# Altium PCB PROC106B.PcbDoc (part 1 of 8) (continued)
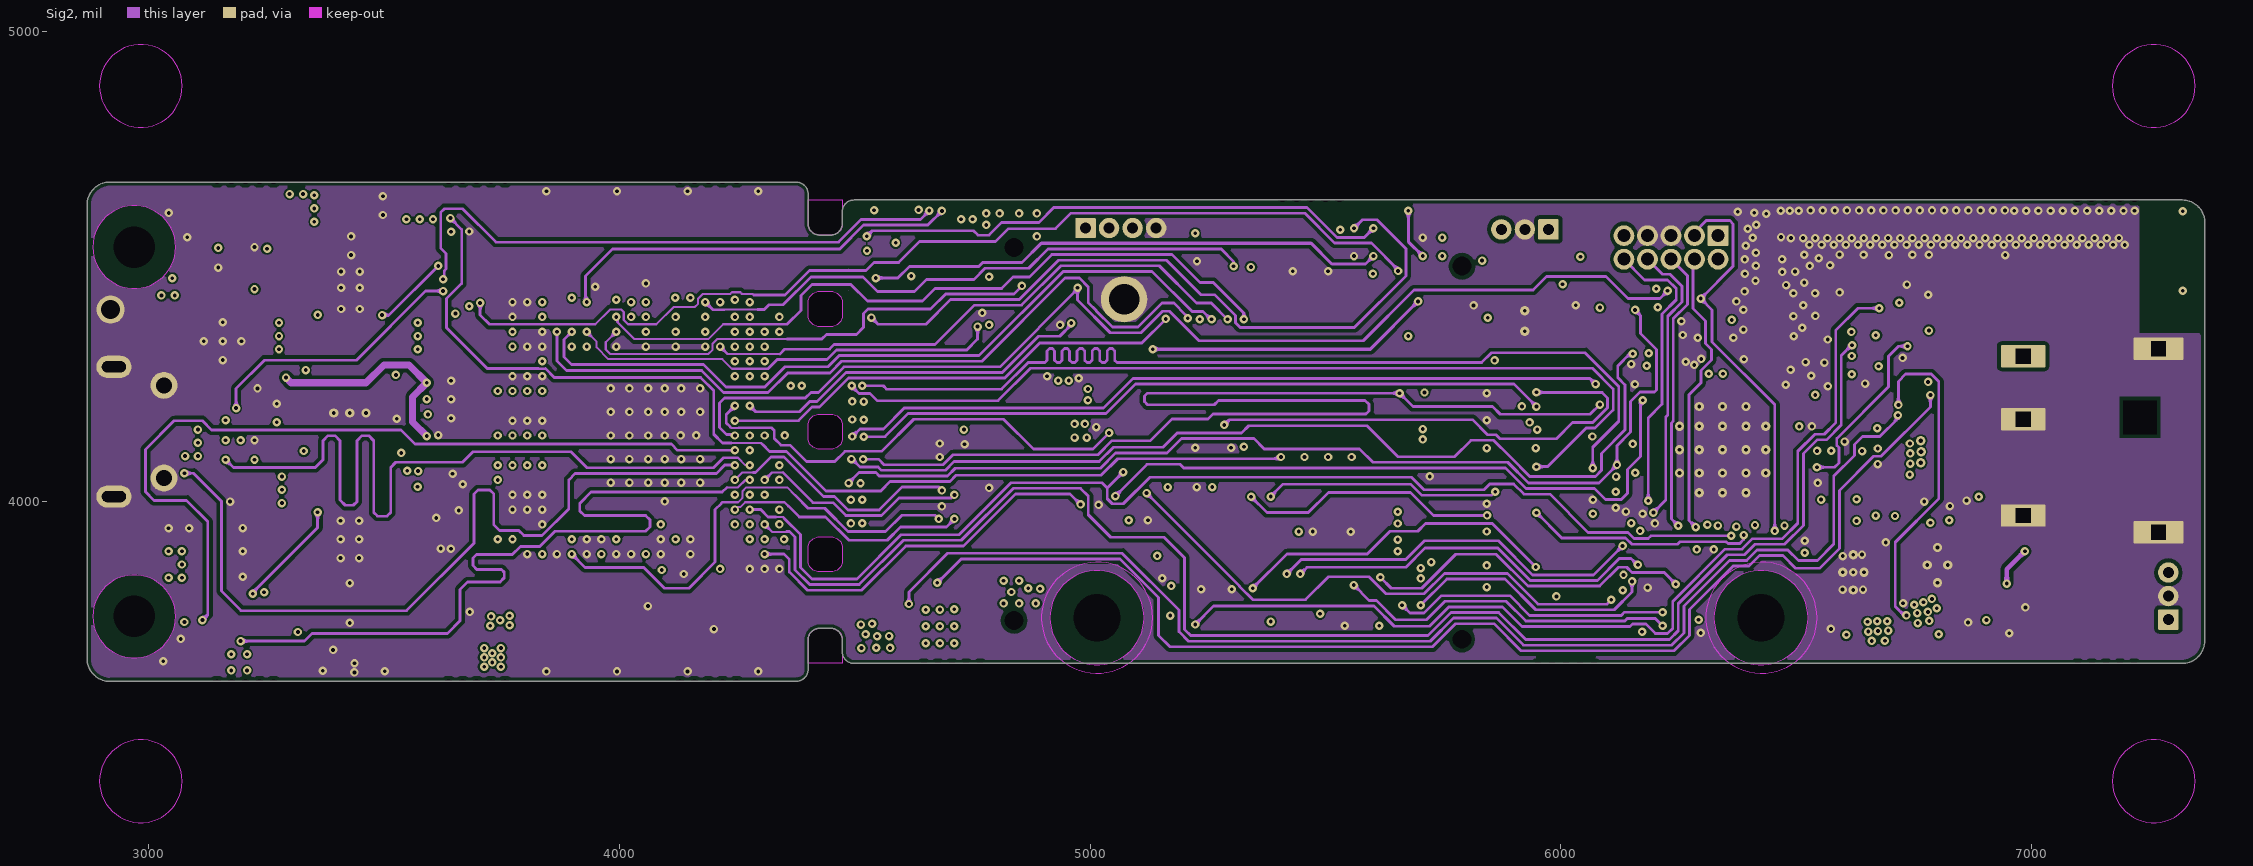
[diagram p6: Sig2]
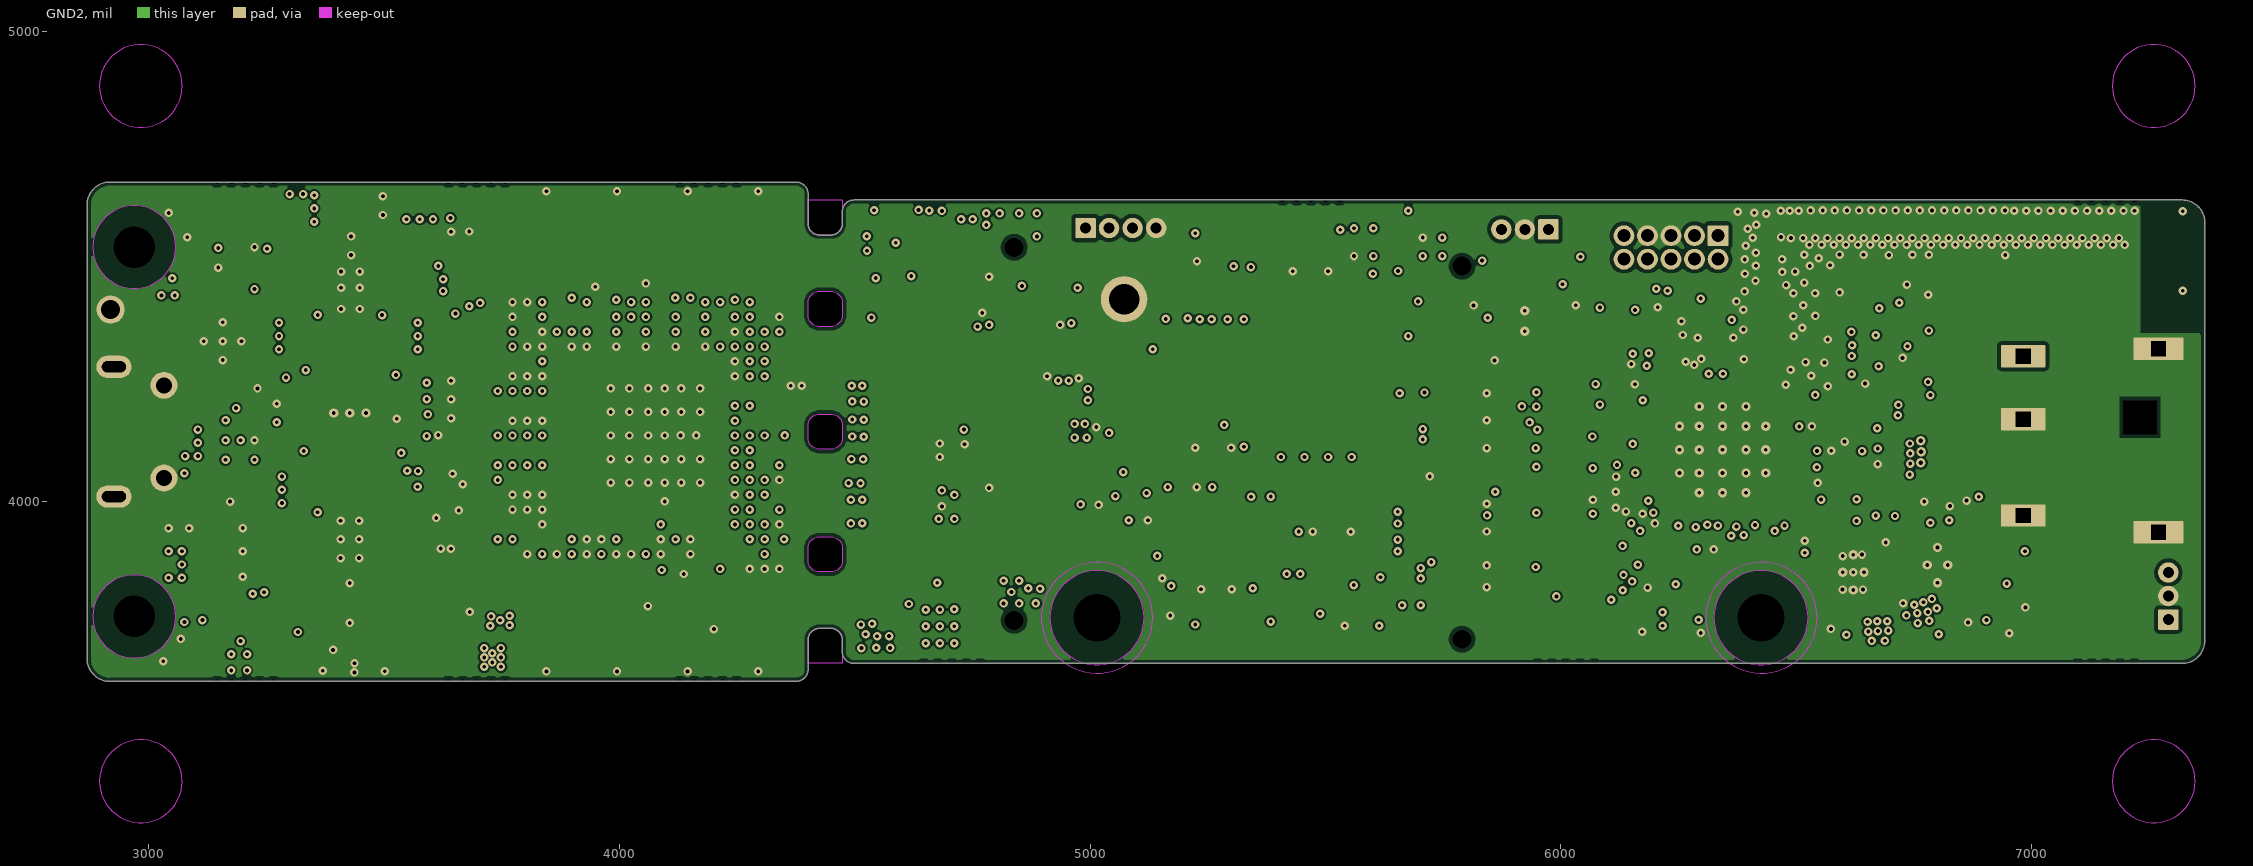
[diagram p7: GND2]
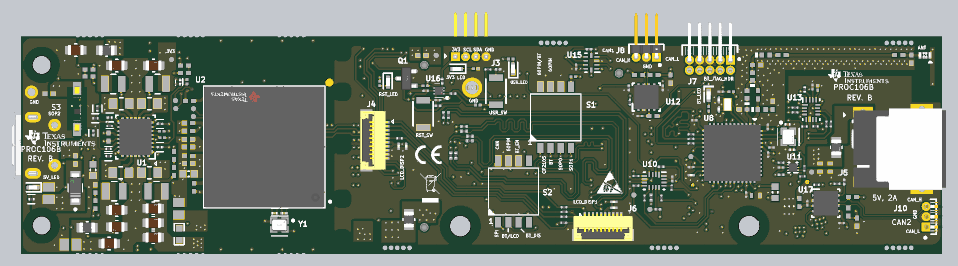
[diagram p15: 3D render of the assembled board from above, using the file's embedded part models]
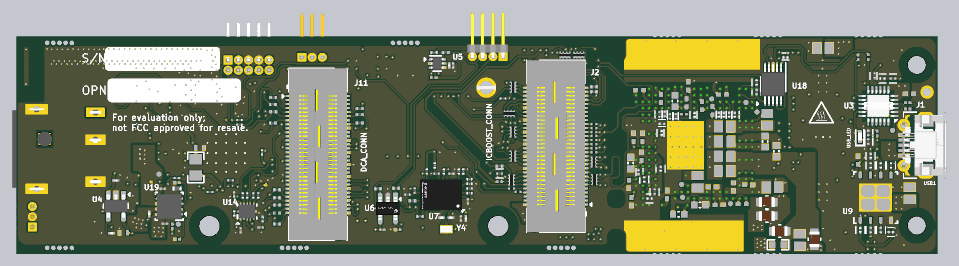
[diagram p16: 3D render of the assembled board from below, using the file's embedded part models]

## Layer stack, top to bottom
Top Solder: solder mask 2, Solder Resist, Dk 3.9
Top Layer: signal copper 2.756
Dielectric1: prepreg 1.681, PP-006, Dk 3.79
Dielectric 1: prepreg 2.558, PP-006, Dk 3.86
GND1: signal copper 2.638
Dielectric3: core 12, Core-009, Dk 4.47
Sig1: signal copper 2.638
Dielectric2: prepreg 2.696, PP-006, Dk 4.13
Dielectric 3: prepreg 2.696, PP-006, Dk 4.13
PWR1: signal copper 2.638
Dielectric4: core 5, Core-009, Dk 4.21
PWR2: signal copper 2.638
Dielectric5: prepreg 2.696, PP-006, Dk 4.13
Dielectric 4: prepreg 2.696, PP-006, Dk 4.13
Sig2: signal copper 2.638
Dielectric8: core 12, Core-009, Dk 4.47
GND2: signal copper 2.638
Dielectric9: prepreg 2.558, PP-006, Dk 3.86
Dielectric 2: prepreg 1.681, PP-006, Dk 3.79
Bottom Layer: signal copper 2.756
Bottom Solder: solder mask 2, Solder Resist, Dk 3.9

## Board outline
2917.58,3618.9 4375.86,3618.9 4375.86,3619 ccw(c4375.86,3644) 4400.86,3644 4400.86,3706.52 cw(c4425.86,3706.52) 4425.86,3731.52 4448.63,3731.52 cw(c4448.63,3706.52) 4473.63,3706.52 4473.63,3681.91 4473.47,3681.91 ccw(c4498.47,3681.91) 4498.47,3656.91 4498.47,3656.87 7319.49,3656.87 ccw(c7319.49,3704.87) 7367.49,3704.87 7367.49,3704.83 7367.76,4593.42 7367.75,4593.44 ccw(c7319.76,4593.44) 7319.76,4641.43 4498.47,4641.43 4498.47,4641.39 ccw(c4498.47,4616.39) 4473.47,4616.39 4473.63,4591.77 cw(c4448.63,4591.77) 4448.63,4566.77 4425.86,4566.77 cw(c4425.86,4591.77) 4400.86,4591.77 4400.86,4654.3 ccw(c4375.86,4654.3) 4375.86,4679.3 4375.28,4679.43 2917.58,4679.43 ccw(c2917.58,4631.43) 2869.58,4631.43 2869.58,3666.9 ccw(c2917.58,3666.9)
cut-out: 4448.63,4111.81 4420.89,4111.81 4411.7,4115.62 4404.67,4122.65 4400.86,4131.84 4400.86,4136.81 4400.86,4161.47 4400.86,4166.44 4404.67,4175.63 4411.7,4182.66 4420.89,4186.47 4425.86,4186.47 4453.6,4186.47 4462.79,4182.66 4469.82,4175.63 4473.63,4166.44 4473.63,4161.47 4473.63,4136.81 4473.63,4131.84 4469.82,4122.65 4462.79,4115.62 4453.6,4111.81 4448.63,4111.81
cut-out: 4425.86,4447.12 4453.6,4447.12 4462.79,4443.32 4469.82,4436.28 4473.63,4427.1 4473.63,4422.12 4473.63,4397.47 4473.63,4392.5 4469.82,4383.31 4462.79,4376.28 4453.6,4372.47 4448.63,4372.47 4420.89,4372.47 4411.7,4376.28 4404.67,4383.31 4400.86,4392.5 4400.86,4397.47 4400.86,4422.12 4400.86,4427.1 4404.67,4436.28 4411.7,4443.32 4420.89,4447.12 4425.86,4447.12
cut-out: 4448.63,3851.17 4420.89,3851.17 4411.7,3854.98 4404.67,3862.01 4400.86,3871.2 4400.86,3876.17 4400.86,3900.82 4400.86,3905.8 4404.67,3914.98 4411.7,3922.02 4420.89,3925.82 4425.86,3925.82 4453.6,3925.82 4462.79,3922.02 4469.82,3914.98 4473.63,3905.8 4473.63,3900.82 4473.63,3876.17 4473.63,3871.2 4469.82,3862.01 4462.79,3854.98 4453.6,3851.17 4448.63,3851.17
cut-out: 4486.41,4450.17
cut-out: 4477.74,3942.38
cut-out: 4473.63,4641.43 4473.63,4604.1 4473.63,4591.77 4473.63,4586.8 4469.82,4577.61 4462.79,4570.58 4453.6,4566.77 4448.63,4566.77 4420.89,4566.77 4411.7,4570.58 4404.67,4577.61 4400.86,4586.8 4400.86,4591.77 4400.86,4604.1 4400.86,4641.43
cut-out: 4473.63,3656.87 4453.6,3656.87 4400.86,3656.87 4400.86,3711.49 4404.67,3720.68 4411.7,3727.71 4420.89,3731.52 4425.86,3731.52 4453.6,3731.52 4462.79,3727.71 4469.82,3720.68 4473.63,3711.49 4473.63,3706.52 4473.63,3691.71
cut-out: 4486.41,4495.33

## Design rules (kind name [scope] priority, off if disabled: settings)
AcuteAngle [All] p1: minimum=4.50000000000000E+0001 checktracksonly=TRUE
AssemblyTestPointUsage [All] p1: valid=2
BoardOutlineClearance BoardOutlineClearance_1 [InNet('GND')] p1: gap=8 ignorepadtopadclearanceinfootprint=FALSE
BoardOutlineClearance [NOT((OnTopSilkscreen OR OnBottomSilkscreen)OR InComponentClass('FiducialMark') or InPadClass('Non Plated'))] p2: gap=12 ignorepadtopadclearanceinfootprint=FALSE except(0: Text-OutlineEdge)
Clearance Keepout [(OnLayer('Keep-Out Layer'))] p1: gap=0.01 ignorepadtopadclearanceinfootprint=FALSE except(5.9: THPad-THPad; 7: Arc-THPad Track-THPad THPad-Via; 8: THPad-Fill THPad-Poly THPad-Region)
Clearance RF_TRACE [InNetClass('RF')] p2: gap=4 ignorepadtopadclearanceinfootprint=FALSE except(0: Arc-Hole Track-Hole SMDPad-Hole THPad-Hole Via-Hole Fill-Hole Poly-Hole Region-Hole Text-Hole; 2: Arc-Text Track-Text SMDPad-Text THPad-Text Via-Text Fill-Text Poly-Text Region-Text Text-Text; 4.8: Track-Poly; 5: Arc-Fill Arc-Poly Arc-Region Track-Fill Track-Region; 5.9: THPad-THPad; 6: SMDPad-Fill SMDPad-Poly SMDPad-Region Via-Fill Via-Poly Via-Region; 7: Arc-THPad Track-THPad THPad-Via; 8: THPad-Fill THPad-Poly THPad-Region; 15: Fill-Fill Fill-Poly Fill-Region Poly-Poly Poly-Region Region-Region)
Clearance AOP_T-B [WithinRoom('BGA') vs (OnLayer('Bottom Layer') or OnLayer('Top Layer'))] p3: gap=4 ignorepadtopadclearanceinfootprint=TRUE except(0: Arc-Hole Track-Hole SMDPad-Hole THPad-Hole Via-Hole Fill-Hole Poly-Hole Region-Hole Text-Hole; 5.9: THPad-THPad; 7: Arc-THPad Track-THPad THPad-Via; 8: THPad-Fill THPad-Poly THPad-Region Fill-Fill Fill-Poly Fill-Region Poly-Poly Region-Region)
Clearance AOP_Sig [WithinRoom('BGA') vs (OnLayer('sig1') or OnLayer('sig2'))] p4: gap=4 ignorepadtopadclearanceinfootprint=FALSE except(0: Arc-Hole Track-Hole SMDPad-Hole THPad-Hole Via-Hole Fill-Hole Poly-Hole Region-Hole Text-Hole; 3.5: Arc-Text Track-Text SMDPad-Text THPad-Text Via-Via Via-Text Fill-Text Poly-Text Region-Text Text-Text; 3.8: SMDPad-Via; 4.5: Arc-Via Track-Via; 5.9: THPad-THPad; 7: Arc-THPad Track-THPad THPad-Via; 8: Arc-Fill Arc-Poly Arc-Region Track-Fill Track-Poly Track-Region SMDPad-THPad THPad-Fill THPad-Poly THPad-Region; 15: Fill-Fill Fill-Poly Fill-Region Poly-Poly Region-Region)
Clearance 100E [InDifferentialPairClass('100E') vs (OnLayer('Sig1') or OnLayer('Sig2'))] p5: gap=8 ignorepadtopadclearanceinfootprint=TRUE except(0: Arc-Hole Track-Hole SMDPad-Hole THPad-Hole Via-Hole Fill-Hole Poly-Hole Region-Hole Text-Hole; 2: Arc-Text Track-Text THPad-Text Via-Text Fill-Text Poly-Text Region-Text Text-Text; 4: Arc-SMDPad Track-SMDPad SMDPad-SMDPad SMDPad-THPad SMDPad-Via SMDPad-Text Via-Fill Via-Poly Via-Region; 4.5: Arc-Via Track-Via; 5.9: THPad-THPad; 6: SMDPad-Fill SMDPad-Poly SMDPad-Region Fill-Fill Fill-Poly Fill-Region Poly-Poly Poly-Region Region-Region; 7: Arc-THPad Track-THPad THPad-Via; 11: Arc-Arc Arc-Track Track-Track)
Clearance 100E_1 [InDifferentialPairClass('100E') vs (OnLayer('Bottom Layer') or OnLayer('Top Layer'))] p6: gap=8 ignorepadtopadclearanceinfootprint=FALSE except(0: Arc-Hole Track-Hole SMDPad-Hole THPad-Hole Via-Hole Fill-Hole Poly-Hole Region-Hole Text-Hole; 2: Arc-Text Track-Text THPad-Text Via-Text Fill-Text Poly-Text Region-Text Text-Text; 4: Arc-SMDPad Track-SMDPad SMDPad-SMDPad SMDPad-THPad SMDPad-Via SMDPad-Text Via-Fill Via-Poly Via-Region; 5: Arc-Via Track-Via; 5.9: THPad-THPad; 6: SMDPad-Fill SMDPad-Poly SMDPad-Region Fill-Fill Fill-Poly Fill-Region Poly-Poly Poly-Region Region-Region; 7: Arc-THPad Track-THPad THPad-Via; 10.65: Arc-Arc Arc-Track Track-Track)
Clearance 50E_INNERlayer [(OnLayer('sig1') or OnLayer('Sig2'))] p7: gap=4.2 ignorepadtopadclearanceinfootprint=TRUE except(0: Arc-Hole Track-Hole SMDPad-Hole THPad-Hole Via-Hole Fill-Hole Poly-Hole Region-Hole Text-Hole; 2: SMDPad-Text Fill-Text Poly-Text Region-Text Text-Text; 4: Via-Fill Via-Poly Via-Region Poly-Region; 4.35: Arc-Via Track-Via; 5.9: THPad-THPad; 5.95: Arc-Arc Arc-Track Track-Track; 6: SMDPad-Fill SMDPad-Poly SMDPad-Region; 7: Arc-THPad Track-THPad THPad-Via; 8: Arc-Fill Arc-Poly Arc-Region Track-Fill Track-Poly Track-Region THPad-Fill THPad-Poly THPad-Region; 12: Fill-Fill Fill-Poly Fill-Region Poly-Poly Region-Region)
Clearance PWR_20 [(OnLayer('pwr2')) vs InNetClass('PWR')] p8: gap=8 ignorepadtopadclearanceinfootprint=TRUE except(0: Arc-Hole Track-Hole SMDPad-Hole THPad-Hole Via-Hole Fill-Hole Poly-Hole Region-Hole Text-Hole; 2: SMDPad-Text Fill-Text Poly-Text Region-Text Text-Text; 4.2: Arc-Text Track-Text THPad-Text Via-Via Via-Text; 5: THPad-Fill THPad-Poly THPad-Region; 5.9: THPad-THPad; 6: Arc-Via Arc-Fill Arc-Poly Arc-Region Track-Via Track-Fill Track-Poly Track-Region; 7: THPad-Via; 10: Via-Fill Via-Poly Via-Region; 20: Fill-Fill Fill-Poly Fill-Region Poly-Poly Poly-Region Region-Region)
Clearance INNERlayer [(OnLayer('pwr1') or OnLayer('pwr2'))] p9: gap=8 ignorepadtopadclearanceinfootprint=TRUE except(0: Arc-Hole Track-Hole SMDPad-Hole THPad-Hole Via-Hole Fill-Hole Poly-Hole Region-Hole Text-Hole; 2: SMDPad-Text Fill-Text Poly-Text Region-Text Text-Text; 4: Via-Fill Via-Poly Via-Region; 4.2: Arc-Text Track-Text THPad-Text Via-Via Via-Text; 5: THPad-Fill THPad-Poly THPad-Region; 5.9: THPad-THPad; 6: Arc-Via Arc-Fill Arc-Poly Arc-Region Track-Via Track-Fill Track-Poly Track-Region; 7: THPad-Via; 20: Fill-Fill Fill-Poly Fill-Region Poly-Poly Poly-Region Region-Region)
Clearance 90E_OUTSIDE [InDifferentialPairClass('90E') vs OnOutside] p10: gap=6 ignorepadtopadclearanceinfootprint=TRUE except(0: Arc-Hole Track-Hole SMDPad-Hole THPad-Hole Via-Hole Fill-Fill Fill-Poly Fill-Region Fill-Hole Poly-Poly Poly-Region Poly-Hole Region-Region Region-Hole Text-Hole; 2: Arc-Text Track-Text SMDPad-Text THPad-Text Via-Text Fill-Text Poly-Text Region-Text Text-Text; 4: Arc-SMDPad Track-SMDPad SMDPad-SMDPad Via-Via Via-Fill Via-Poly Via-Region; 4.5: Arc-Arc Arc-Track Arc-Via Track-Track Track-Via; 5.9: THPad-THPad; 7: Arc-THPad Track-THPad SMDPad-THPad THPad-Via; 8: SMDPad-Via THPad-Fill THPad-Poly THPad-Region)
Clearance [All] p11: gap=1 ignorepadtopadclearanceinfootprint=TRUE except(0: Arc-Hole Track-Hole SMDPad-Hole THPad-Hole Via-Hole Fill-Hole Poly-Hole Region-Hole Text-Hole; 4: Arc-SMDPad Track-SMDPad SMDPad-SMDPad SMDPad-Via Via-Via Via-Fill Via-Poly Via-Region Poly-Region; 4.2: Arc-Via Track-Via; 5: Arc-Fill Arc-Poly Arc-Region Track-Fill Track-Poly Track-Region; 5.85: Arc-Arc Arc-Track Track-Track; 5.9: THPad-THPad; 6: SMDPad-Fill SMDPad-Poly SMDPad-Region; 7: Arc-THPad Track-THPad SMDPad-THPad THPad-Via; 8: THPad-Fill THPad-Poly THPad-Region; 12: Fill-Fill Fill-Poly Fill-Region Poly-Poly Region-Region)
Clearance "SAME NET" [All] p12: gap=0 ignorepadtopadclearanceinfootprint=FALSE except(0.5: SMDPad-Text; 5.9: THPad-THPad)
ComponentClearance ComponentClearance_R199_187 [InComponent('J11') or InComponent('TP20')] p1: gap=-1 collisioncheckmode=3 verticalgap=10 showdistances=FALSE
ComponentClearance ComponentClearance_R188_204 [InComponent('R188') vs InComponent('R204')] p2: gap=-1 collisioncheckmode=3 verticalgap=10 showdistances=FALSE
ComponentClearance [All] p3: gap=1 collisioncheckmode=3 verticalgap=10 showdistances=FALSE
ComponentClearance ComponentClearance_MountingHoles_FiducialMarks [InComponentClass('Mounting Holes') vs InComponentClass('FiducialMark')] p4: gap=50 collisioncheckmode=3 verticalgap=10 showdistances=FALSE
ComponentClearance ComponentClearance_Shunt [InComponentClass('Header') vs InComponentClass('Shunt')] p5: gap=1 collisioncheckmode=3 verticalgap=0 showdistances=FALSE
ComponentClearance ComponentClearance_Logo [InComponentClass('Logo')] p6: gap=50 collisioncheckmode=3 verticalgap=10 showdistances=FALSE
ComponentClearance ComponentClearance_ScrewToNut [(HasFootprint('NY PMS 440 0025 PH')) vs (HasFootprint('Keystone_1902C'))] p7: gap=5 collisioncheckmode=3 verticalgap=10 showdistances=FALSE
ComponentClearance ComponentClearance_MountingHoles [InComponentClass('Mounting Holes')] p8: gap=20 collisioncheckmode=3 verticalgap=100000 showdistances=FALSE
ComponentClearance ComponentClearance_SmallPassives [HasFootprint('0201*') or HasFootprint('0402*') or HasFootprint('0508') or HasFootprint('0603*') or HasFootprint('0612') or HasFootprint('0805*') or HasFootprint('0815*') or HasFootprint('0830*') or HasFootprint('1206*') or HasFootprint('1210*') or HasFootprint('1808*') or HasFootprint('1812*') or HasFootprint('1825*') or HasFootprint('2010*') or HasFootprint('2220*') or HasFootprint('2225*') or HasFootprint('2512*') or HasFootprint('2728*') or HasFootprint('3518*') vs HasFootprint('0201*') or HasFootprint('0402*') or HasFootprint('0508') or HasFootprint('0603*') or HasFootprint('0612') or HasFootprint('0805*') or HasFootprint('0815*') or HasFootprint('0830*') or HasFootprint('1206*') or HasFootprint('1210*') or HasFootprint('1808*') or HasFootprint('1812*') or HasFootprint('1825*') or HasFootprint('2010*') or HasFootprint('2220*') or HasFootprint('2225*') or HasFootprint('2512*') or HasFootprint('2728*') or HasFootprint('3518*')] p9: gap=10 collisioncheckmode=3 verticalgap=10 showdistances=FALSE
ComponentClearance ComponentClearance_THtoSMT [IsThruComponent vs IsSMTComponent] p10: gap=5 collisioncheckmode=3 verticalgap=20 showdistances=FALSE
ComponentClearance ComponentClearance_THtoTH [IsThruComponent vs IsThruComponent] p11: gap=20 collisioncheckmode=3 verticalgap=30 showdistances=FALSE
DiffPairsRouting Diff_100E [InDifferentialPairClass('100E')] p1: maxlimit=11.2 minlimit=8.6 mostfreqgap=10 toplayer_maxgap=8.6 toplayer_prefgap=8.6 toplayer_minwidth=5.1 toplayer_maxwidth=5.1 toplayer_prefwidth=5.1 midlayer1_mingap=10 midlayer1_maxgap=10 midlayer1_minwidth=15 midlayer1_maxwidth=15 midlayer1_prefwidth=15 midlayer2_mingap=11.2 midlayer2_prefgap=11.2 midlayer2_minwidth=4.5 midlayer2_maxwidth=4.8 midlayer2_prefwidth=4.8 midlayer3_mingap=10 midlayer3_maxgap=10 midlayer3_minwidth=15 midlayer3_maxwidth=15 midlayer3_prefwidth=15 midlayer6_mingap=10 midlayer6_maxgap=10 midlayer6_minwidth=15 midlayer6_maxwidth=15 midlayer6_prefwidth=15 midlayer7_mingap=11.2 midlayer7_prefgap=11.2 midlayer7_minwidth=4.5 midlayer7_maxwidth=4.8 midlayer7_prefwidth=4.8 midlayer8_mingap=10 midlayer8_maxgap=10 midlayer8_minwidth=15 midlayer8_maxwidth=15 midlayer8_prefwidth=15 bottomlayer_maxgap=8.6 bottomlayer_prefgap=8.6 bottomlayer_minwidth=5.1 bottomlayer_maxwidth=5.1 bottomlayer_prefwidth=5.1 maxuncoupledlength=500
DiffPairsRouting Diff_90E [InDifferentialPairClass('90E')] p2: maxlimit=100 minlimit=5 mostfreqgap=10 toplayer_maxgap=5 toplayer_prefgap=5 toplayer_minwidth=5 toplayer_maxwidth=5 toplayer_prefwidth=5 midlayer1_mingap=10 midlayer1_minwidth=15 midlayer1_maxwidth=15 midlayer1_prefwidth=15 midlayer2_mingap=7.4 midlayer2_maxgap=7.4 midlayer2_prefgap=7.4 midlayer2_minwidth=5 midlayer2_maxwidth=5 midlayer2_prefwidth=5 midlayer3_mingap=10 midlayer3_minwidth=15 midlayer3_maxwidth=15 midlayer3_prefwidth=15 midlayer6_mingap=10 midlayer6_minwidth=15 midlayer6_maxwidth=15 midlayer6_prefwidth=15 midlayer7_mingap=7.4 midlayer7_maxgap=7.4 midlayer7_prefgap=7.4 midlayer7_minwidth=5 midlayer7_maxwidth=5 midlayer7_prefwidth=5 midlayer8_mingap=10 midlayer8_minwidth=15 midlayer8_maxwidth=15 midlayer8_prefwidth=15 bottomlayer_maxgap=5 bottomlayer_prefgap=5 bottomlayer_minwidth=5 bottomlayer_maxwidth=5 bottomlayer_prefwidth=5 maxuncoupledlength=1000
DiffPairsRouting Diff_120E [InDifferentialPairClass('120E')] p3: maxlimit=10 minlimit=6.1 mostfreqgap=10 toplayer_mingap=7.15 toplayer_maxgap=7.15 toplayer_prefgap=7.15 toplayer_minwidth=5.2 toplayer_maxwidth=5.2 toplayer_prefwidth=5.2 midlayer1_mingap=10 midlayer1_minwidth=15 midlayer1_maxwidth=15 midlayer1_prefwidth=15 midlayer2_mingap=10 midlayer2_minwidth=15 midlayer2_maxwidth=15 midlayer2_prefwidth=15 midlayer3_mingap=10 midlayer3_minwidth=15 midlayer3_maxwidth=15 midlayer3_prefwidth=15 midlayer6_mingap=10 midlayer6_minwidth=15 midlayer6_maxwidth=15 midlayer6_prefwidth=15 midlayer7_mingap=10 midlayer7_minwidth=15 midlayer7_maxwidth=15 midlayer7_prefwidth=15 midlayer8_mingap=10 midlayer8_minwidth=15 midlayer8_maxwidth=15 midlayer8_prefwidth=15 bottomlayer_maxgap=6.1 bottomlayer_prefgap=6.1 bottomlayer_minwidth=4 bottomlayer_maxwidth=4 bottomlayer_prefwidth=4 maxuncoupledlength=500
FabricationTestPointUsage TestPointUsage [All] p1: valid=2 allowmultiple=FALSE
FabricationTestpoint Testpoint [All] p1: side=3 testpointundercomponent=TRUE minsize=40 maxsize=100 preferedsize=60 minholesize=0 maxholesize=40 preferedholesize=32 testpointgrid=1 allowsidetop=TRUE allowsidebottom=TRUE usegrid=TRUE gridtolerance=0.01
FanoutControl Fanout_LCC [IsLCC] p1: bgadir=Out bgaviamode=Centered fanoutstyle=Auto fanoutdirection=Alternating viagrid=1 // Fanout_LCC (Default Rule)
FanoutControl Fanout_BGA [IsBGA] p2: bgadir=Out bgaviamode=Centered fanoutstyle=Auto fanoutdirection=Alternating viagrid=1 // Fanout_BGA (Default Rule)
FanoutControl Fanout_Default [All] p4: bgadir=Out bgaviamode=Centered fanoutstyle=Auto fanoutdirection=Alternating viagrid=1 // Fanout_Default (Default Rule)
FanoutControl Fanout_Small [(CompPinCount < 5)] p5: bgadir=Out bgaviamode=Centered fanoutstyle=Auto fanoutdirection=OutThenIn viagrid=1 // Fanout_Small (Default Rule)
HoleSize [All] p1: absolutevalues=TRUE maxlimit=251 minlimit=5.9 maxpercent=80.000 minpercent=20.000
HoleToHoleClearance [All and  (not InPadClass('Non Plated'))] p1: gap=10 allowstackedmicrovias=TRUE
MatchedLengths U13-J11 [InxSignalClass('U13-J11')] p1: tolerance=400 checknetsindiffpair=FALSE checkdiffpairvsdiffpair=TRUE checkxsignals=TRUE checkothers=TRUE
MatchedLengths U13-J2 [InxSignalClass('U13-J2')] p2: tolerance=400 checknetsindiffpair=FALSE checkdiffpairvsdiffpair=TRUE checkxsignals=TRUE checkothers=TRUE
MatchedLengths U13-U8 [InxSignalClass('U13-U8')] p3: tolerance=400 checknetsindiffpair=FALSE checkdiffpairvsdiffpair=TRUE checkxsignals=TRUE checkothers=TRUE
MatchedLengths [InNetClass('LVDS_IC')] p4: tolerance=20 checknetsindiffpair=FALSE checkdiffpairvsdiffpair=TRUE checkxsignals=TRUE checkothers=TRUE
MatchedLengths USB [InxSignalClass('USB')] p5: tolerance=5 checknetsindiffpair=TRUE checkdiffpairvsdiffpair=FALSE checkxsignals=FALSE checkothers=FALSE
MatchedLengths QSPI [InxSignalClass('QSPI')] p6: tolerance=100 checknetsindiffpair=FALSE checkdiffpairvsdiffpair=TRUE checkxsignals=TRUE checkothers=TRUE
MatchedLengths SPI [InxSignalClass('SPI & HOSTINT')] p7: tolerance=200 checknetsindiffpair=FALSE checkdiffpairvsdiffpair=TRUE checkxsignals=TRUE checkothers=TRUE
MatchedLengths JTAG [InxSignalClass('JTAG')] p8: tolerance=100 checknetsindiffpair=FALSE checkdiffpairvsdiffpair=TRUE checkxsignals=TRUE checkothers=TRUE
MinimumAnnularRing MinimumAnnularRing_ThermalPadVias [IsVia and InAnyComponent] p1: minimumring=3
MinimumAnnularRing [All] p2: minimumring=3
MinimumSolderMaskSliver [All] p1: minsoldermaskwidth=2.9
PlaneConnect [All] p1: planeconnectstyle=Direct reliefexpansion=10 reliefentries=4 reliefconductorwidth=10 reliefairgap=10
PolygonConnect [All] p1: connectstyle=Direct reliefconductorwidth=10 reliefentries=4 polygonreliefangle="90 Angle" airgapwidth=10
RoomDefinition PROC106B_Hardware [InComponentClass('PROC106B_Hardware')] p1 off: confinementstyle=ConfineIn formatcopy=TRUE lockcomponents=FALSE outline 3741.3,4404.25 4366.16,4404.25 4366.16,3790.65 3740.45,3790.65
RoutingVias [All] p1: holewidth=8 width=18 viastyle="Through Hole" minholewidth=7.87 minwidth=17 maxholewidth=40 maxwidth=30
RoutingVias ThermalPadVias [IsVia and InAnyComponent] p2: holewidth=7.87 width=19.68 viastyle="Through Hole" minholewidth=7.87 minwidth=19.68 maxholewidth=12.99 maxwidth=23.62
SilkToBoardRegionClearance [Not ((IsComment or IsDesignator) And (Hide <> 'False')) and not InRegion(1000,500,4000,800)] p1:
SilkToSilkClearance [All] p1: silktosilkclearance=3
SilkToSolderMaskClearance SilkToComponentPadClearance [(IsPad or IsFill or IsRegion) and InAnycomponent] p1: minsilkscreentomaskgap=2 clearancetoexposedcopper=TRUE
SilkToSolderMaskClearance "Silk to Solder Mask Opening" [All] p2: minsilkscreentomaskgap=2 clearancetoexposedcopper=FALSE
SolderMaskExpansion [All] p1: expansion=1.97
Width RF [InNetClass('RF')] p1: maxlimit=100 minlimit=5.5 preferedwidth=10 toplayer_prefwidth=12 midlayer1_minwidth=10 midlayer1_maxwidth=10 midlayer2_minwidth=10 midlayer2_maxwidth=10 midlayer3_minwidth=10 midlayer3_maxwidth=10 midlayer6_minwidth=10 midlayer6_maxwidth=10 midlayer7_minwidth=10 midlayer7_maxwidth=10 midlayer8_minwidth=10 midlayer8_maxwidth=10 bottomlayer_minwidth=10 bottomlayer_maxwidth=10 minimp=50.000000 maximp=50.000000 favimp=50.000000